# Altium PCB MB1166.PcbDoc (part 17 of 39) (continued)
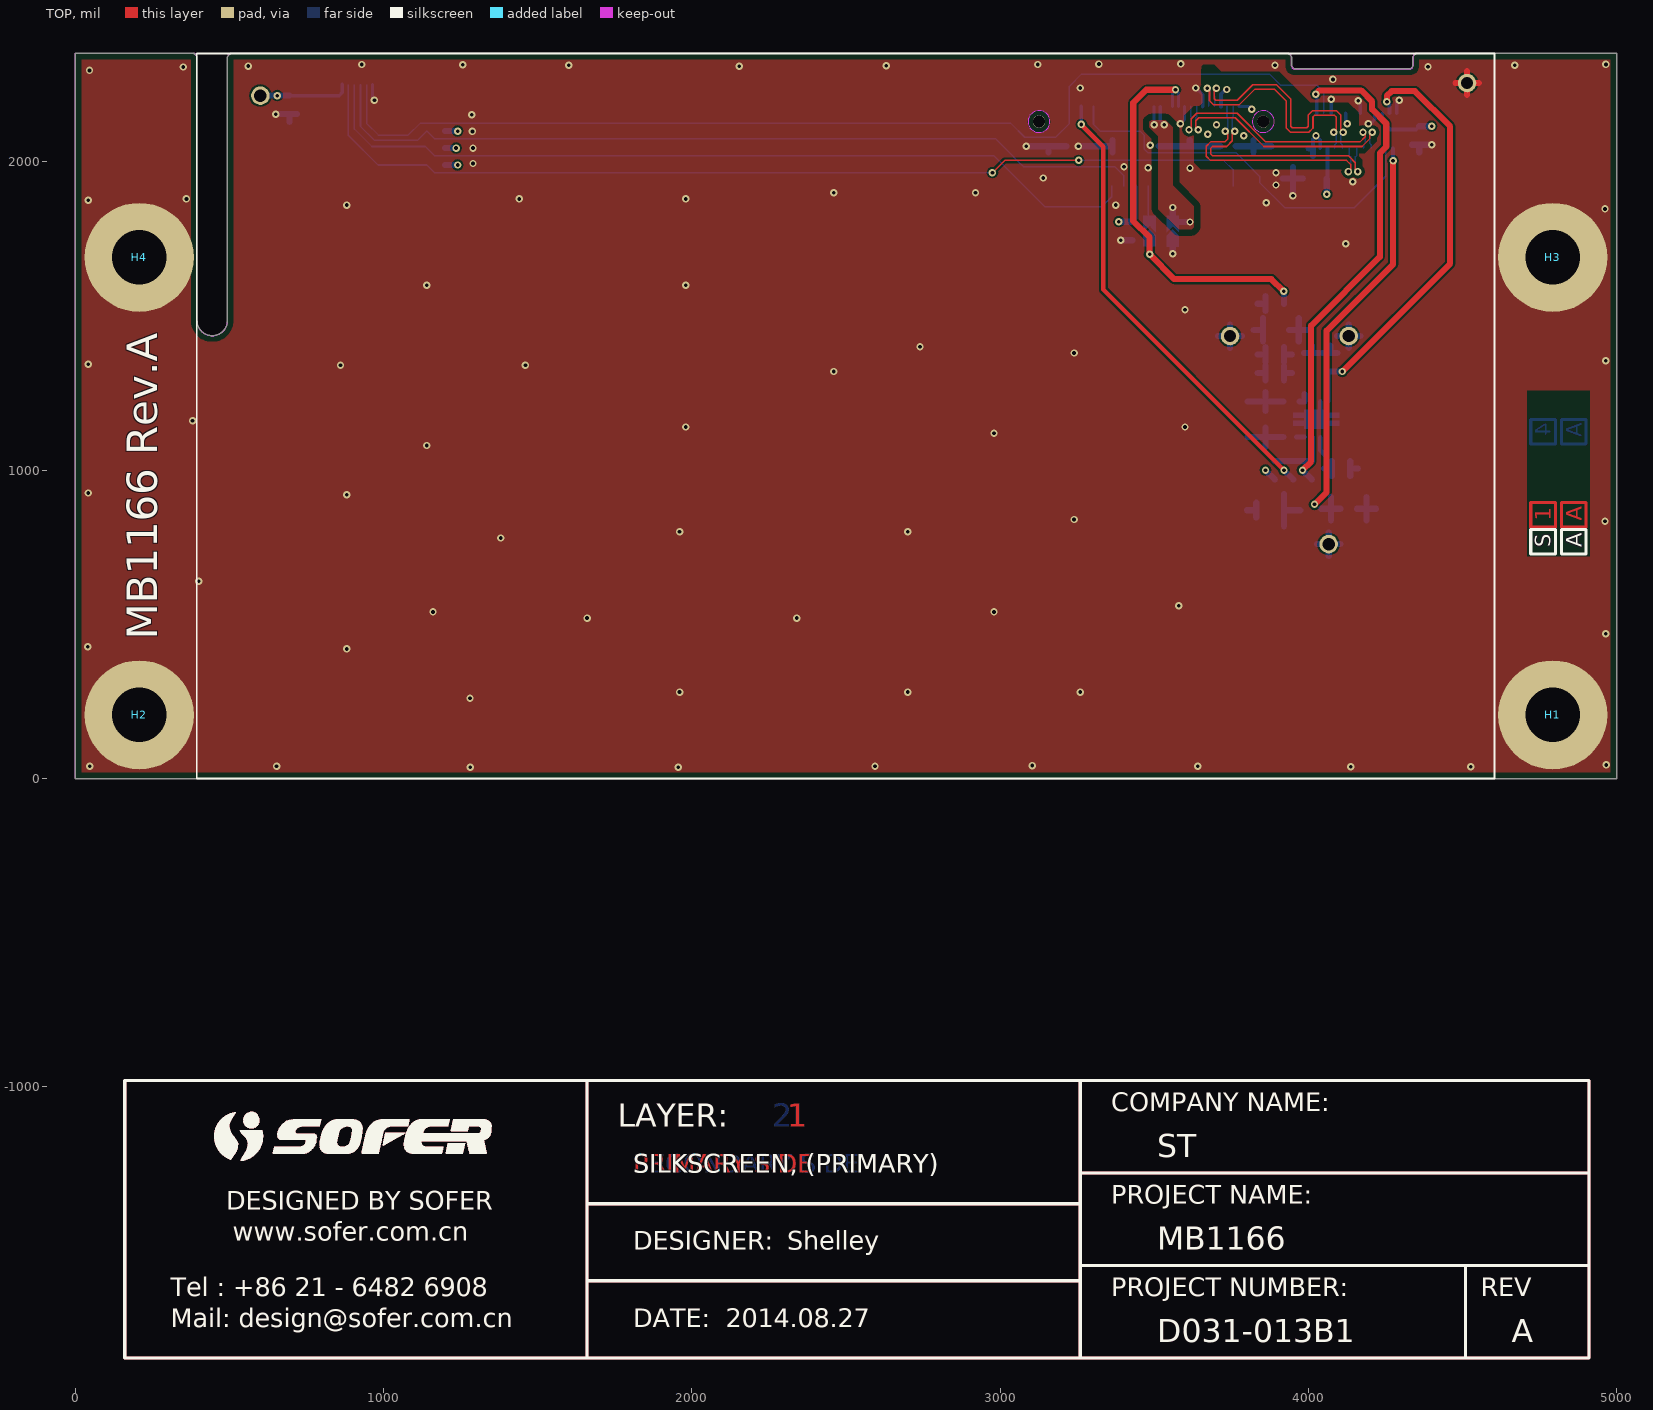
[diagram p0: TOP view]
## Nets (pads, with @x,y where several pads share a name; then routed paths per layer and width w, separated by ;. In a path a pad name is that pad's centre, name@x,y a point inside that pad or via, vN(x,y) a via of type N, cw(c..) or ccw(c..) an arc to the next point about the centre after c; other vN are vias at no path point) (continued)
; 504.86,-1152.33 504.91,-1152.42 ; 504.84,-1087.18 504.94,-1087.15 ; 504.84,-1087.18 504.94,-1087.15 ; 504.91,-1152.42 504.97,-1152.5 ; 504.91,-1152.42 504.97,-1152.5 ; 504.92,-1106.75 504.96,-1106.67 ; 504.92,-1106.75 504.96,-1106.67 ; 504.97,-1152.5 505.02,-1152.59 ; 504.97,-1152.5 505.02,-1152.59 ; 504.96,-1106.67 505.06,-1106.49 ; 504.96,-1106.67 505.06,-1106.49 ; 504.94,-1087.15 505.03,-1087.11 ; 504.94,-1087.15 505.03,-1087.11 ; 505.02,-1152.59 505.07,-1152.67 ; 505.02,-1152.59 505.07,-1152.67 ; 505.07,-1152.67 505.12,-1152.76 ; 505.07,-1152.67 505.12,-1152.76 ; 505.06,-1106.49 505.1,-1106.4 ; 505.06,-1106.49 505.1,-1106.4 ; 505.03,-1087.11 505.13,-1087.08 ; 505.03,-1087.11 505.13,-1087.08 ; 505.11,-1233.29 505.18,-1233.22 ; 505.11,-1233.29 505.18,-1233.22 ; 505.12,-1152.76 505.18,-1152.84 ; 505.12,-1152.76 505.18,-1152.84 ; 505.1,-1106.4 505.2,-1106.22 ; 505.1,-1106.4 505.2,-1106.22 ; 505.13,-1087.08 505.31,-1087.02 ; 505.13,-1087.08 505.31,-1087.02 ; 505.18,-1233.22 505.36,-1232.98 ; 505.18,-1233.22 505.36,-1232.98 ; 505.18,-1152.84 505.23,-1152.93 ; 505.18,-1152.84 505.23,-1152.93 ; 505.2,-1106.22 505.25,-1106.14 ; 505.2,-1106.22 505.25,-1106.14 ; 505.23,-1152.93 505.28,-1153.01 ; 505.23,-1152.93 505.28,-1153.01 ; 505.25,-1106.14 505.29,-1106.05 ; 505.25,-1106.14 505.29,-1106.05 ; 505.28,-1153.01 505.34,-1153.1 ; 505.28,-1153.01 505.34,-1153.1 ; 505.29,-1106.05 505.39,-1105.87 ; 505.29,-1106.05 505.39,-1105.87 ; 505.31,-1087.02 505.41,-1086.99 ; 505.31,-1087.02 505.41,-1086.99 ; 505.36,-1232.98 505.43,-1232.9 ; 505.36,-1232.98 505.43,-1232.9 ; 505.34,-1153.1 505.39,-1153.18 ; 505.34,-1153.1 505.39,-1153.18 ; 505.39,-1153.18 505.44,-1153.27 ; 505.39,-1153.18 505.44,-1153.27 ; 505.39,-1105.87 505.44,-1105.79 ; 505.39,-1105.87 505.44,-1105.79 ; 505.41,-1086.99 505.5,-1086.95 ; 505.41,-1086.99 505.5,-1086.95 ; 505.43,-1232.9 505.49,-1232.83 ; 505.43,-1232.9 505.49,-1232.83 ; 505.44,-1153.27 505.5,-1153.35 ; 505.44,-1153.27 505.5,-1153.35 ; 505.44,-1105.79 505.49,-1105.7 ; 505.44,-1105.79 505.49,-1105.7 ; 505.49,-1232.83 505.61,-1232.67 ; 505.49,-1232.83 505.61,-1232.67 ; 505.5,-1153.35 505.55,-1153.43 ; 505.5,-1153.35 505.55,-1153.43 ; 505.49,-1105.7 505.53,-1105.61 ; 505.49,-1105.7 505.53,-1105.61 ; 505.5,-1086.95 505.6,-1086.92 ; 505.5,-1086.95 505.6,-1086.92 ; 505.55,-1153.43 505.6,-1153.52 ; 505.55,-1153.43 505.6,-1153.52 ; 505.53,-1105.61 505.63,-1105.43 ; 505.53,-1105.61 505.63,-1105.43 ; 505.61,-1232.67 505.68,-1232.59 ; 505.61,-1232.67 505.68,-1232.59 ; 505.6,-1153.52 505.66,-1153.6 ; 505.6,-1153.52 505.66,-1153.6 ; 505.6,-1086.92 505.69,-1086.89 ; 505.6,-1086.92 505.69,-1086.89 ; 505.66,-1153.6 505.71,-1153.69 ; 505.66,-1153.6 505.71,-1153.69 ; 505.63,-1105.43 505.68,-1105.35 ; 505.63,-1105.43 505.68,-1105.35 ; 505.68,-1232.59 505.74,-1232.51 ; 505.68,-1232.59 505.74,-1232.51 ; 505.71,-1153.69 505.77,-1153.77 ; 505.71,-1153.69 505.77,-1153.77 ; 505.68,-1105.35 505.78,-1105.17 ; 505.68,-1105.35 505.78,-1105.17 ; 505.69,-1086.89 505.79,-1086.86 ; 505.69,-1086.89 505.79,-1086.86 ; 505.74,-1232.51 505.8,-1232.44 ; 505.74,-1232.51 505.8,-1232.44 ; 505.77,-1153.77 505.82,-1153.85 ; 505.77,-1153.77 505.82,-1153.85 ; 505.8,-1232.44 505.87,-1232.36 ; 505.8,-1232.44 505.87,-1232.36 ; 505.82,-1153.85 505.88,-1153.94 ; 505.82,-1153.85 505.88,-1153.94 ; 505.78,-1105.17 505.82,-1105.08 ; 505.78,-1105.17 505.82,-1105.08 ; 505.82,-1105.08 505.87,-1105 ; 505.82,-1105.08 505.87,-1105 ; 505.79,-1086.86 505.88,-1086.83 ; 505.79,-1086.86 505.88,-1086.83 ; 505.87,-1232.36 506.05,-1232.12 ; 505.87,-1232.36 506.05,-1232.12 ; 505.87,-1105 505.97,-1104.82 ; 505.87,-1105 505.97,-1104.82 ; 505.88,-1153.94 505.93,-1154.02 ; 505.88,-1153.94 505.93,-1154.02 ; 505.88,-1086.83 505.98,-1086.8 ; 505.88,-1086.83 505.98,-1086.8 ; 505.93,-1154.02 505.99,-1154.1 ; 505.93,-1154.02 505.99,-1154.1 ; 505.97,-1104.82 506.02,-1104.74 ; 505.97,-1104.82 506.02,-1104.74 ; 505.99,-1154.1 506.04,-1154.19 ; 505.99,-1154.1 506.04,-1154.19 ; 506.02,-1104.74 506.17,-1104.47 ; 506.02,-1104.74 506.17,-1104.47 ; 505.98,-1086.8 506.07,-1086.77 ; 505.98,-1086.8 506.07,-1086.77 ; 506.05,-1232.12 506.12,-1232.05 ; 506.05,-1232.12 506.12,-1232.05 ; 506.04,-1154.19 506.16,-1154.35 ; 506.04,-1154.19 506.16,-1154.35 ; 506.07,-1086.77 506.27,-1086.71 ; 506.07,-1086.77 506.27,-1086.71 ; 506.12,-1232.05 506.3,-1231.81 ; 506.12,-1232.05 506.3,-1231.81 ; 506.16,-1154.35 506.21,-1154.44 ; 506.16,-1154.35 506.21,-1154.44 ; 506.17,-1104.47 506.22,-1104.39 ; 506.17,-1104.47 506.22,-1104.39 ; 506.21,-1154.44 506.27,-1154.52 ; 506.21,-1154.44 506.27,-1154.52 ; 506.22,-1104.39 506.32,-1104.21 ; 506.22,-1104.39 506.32,-1104.21 ; 506.27,-1154.52 506.32,-1154.6 ; 506.27,-1154.52 506.32,-1154.6 ; 506.27,-1086.71 506.36,-1086.68 ; 506.27,-1086.71 506.36,-1086.68 ; 506.3,-1231.81 506.37,-1231.73 ; 506.3,-1231.81 506.37,-1231.73 ; 506.32,-1154.6 506.38,-1154.68 ; 506.32,-1154.6 506.38,-1154.68 ; 506.32,-1104.21 506.37,-1104.13 ; 506.32,-1104.21 506.37,-1104.13 ; 506.37,-1231.73 506.43,-1231.66 ; 506.37,-1231.73 506.43,-1231.66 ; 506.37,-1104.13 506.42,-1104.04 ; 506.37,-1104.13 506.42,-1104.04 ; 506.36,-1086.68 506.46,-1086.65 ; 506.36,-1086.68 506.46,-1086.65 ; 506.38,-1154.68 506.44,-1154.77 ; 506.38,-1154.68 506.44,-1154.77 ; 506.42,-1104.04 506.46,-1103.95 ; 506.42,-1104.04 506.46,-1103.95 ; 506.43,-1231.66 506.61,-1231.42 ; 506.43,-1231.66 506.61,-1231.42 ; 506.44,-1154.77 506.49,-1154.85 ; 506.44,-1154.77 506.49,-1154.85 ; 506.46,-1103.95 506.51,-1103.87 ; 506.46,-1103.95 506.51,-1103.87 ; 506.46,-1086.65 506.55,-1086.62 ; 506.46,-1086.65 506.55,-1086.62 ; 506.49,-1154.85 506.61,-1155.01 ; 506.49,-1154.85 506.61,-1155.01 ; 506.51,-1103.87 506.61,-1103.69 ; 506.51,-1103.87 506.61,-1103.69 ; 506.55,-1086.62 506.65,-1086.59 ; 506.55,-1086.62 506.65,-1086.59 ; 506.61,-1231.42 506.68,-1231.34 ; 506.61,-1231.42 506.68,-1231.34 ; 506.61,-1155.01 506.66,-1155.09 ; 506.61,-1155.01 506.66,-1155.09 ; 506.61,-1103.69 506.66,-1103.61 ; 506.61,-1103.69 506.66,-1103.61 ; 506.66,-1155.09 506.72,-1155.18 ; 506.66,-1155.09 506.72,-1155.18 ; 506.66,-1103.61 506.71,-1103.52 ; 506.66,-1103.61 506.71,-1103.52 ; 506.65,-1086.59 506.74,-1086.56 ; 506.65,-1086.59 506.74,-1086.56 ; 506.68,-1231.34 506.8,-1231.18 ; 506.68,-1231.34 506.8,-1231.18 ; 506.72,-1155.18 506.84,-1155.34 ; 506.72,-1155.18 506.84,-1155.34 ; 506.71,-1103.52 506.77,-1103.43 ; 506.71,-1103.52 506.77,-1103.43 ; 506.77,-1103.43 506.82,-1103.35 ; 506.77,-1103.43 506.82,-1103.35 ; 506.74,-1086.56 506.84,-1086.53 ; 506.74,-1086.56 506.84,-1086.53 ; 506.8,-1231.18 506.86,-1231.11 ; 506.8,-1231.18 506.86,-1231.11 ; 506.82,-1103.35 506.92,-1103.17 ; 506.82,-1103.35 506.92,-1103.17 ; 506.86,-1231.11 507.4,-1230.39 ; 506.86,-1231.11 507.4,-1230.39 ; 506.84,-1155.34 506.89,-1155.42 ; 506.84,-1155.34 506.89,-1155.42 ; 506.84,-1086.53 506.93,-1086.5 ; 506.84,-1086.53 506.93,-1086.5 ; 506.89,-1155.42 507.01,-1155.58 ; 506.89,-1155.42 507.01,-1155.58 ; 506.92,-1103.17 506.97,-1103.09 ; 506.92,-1103.17 506.97,-1103.09 ; 506.97,-1103.09 507.02,-1103 ; 506.97,-1103.09 507.02,-1103 ; 506.93,-1086.5 507.03,-1086.47 ; 506.93,-1086.5 507.03,-1086.47 ; 507.01,-1155.58 507.07,-1155.67 ; 507.01,-1155.58 507.07,-1155.67 ; 507.02,-1103 507.07,-1102.92 ; 507.02,-1103 507.07,-1102.92 ; 507.07,-1155.67 507.19,-1155.83 ; 507.07,-1155.67 507.19,-1155.83 ; 507.07,-1102.92 507.17,-1102.74 ; 507.07,-1102.92 507.17,-1102.74 ; 507.03,-1086.47 507.12,-1086.44 ; 507.03,-1086.47 507.12,-1086.44 ; 507.12,-1086.44 507.32,-1086.38 ; 507.12,-1086.44 507.32,-1086.38 ; 507.17,-1102.74 507.22,-1102.66 ; 507.17,-1102.74 507.22,-1102.66 ; 507.19,-1155.83 507.24,-1155.91 ; 507.19,-1155.83 507.24,-1155.91 ; 507.22,-1102.66 507.27,-1102.57 ; 507.22,-1102.66 507.27,-1102.57 ; 507.24,-1155.91 507.6,-1156.39 ; 507.24,-1155.91 507.6,-1156.39 ; 507.27,-1102.57 507.32,-1102.49 ; 507.27,-1102.57 507.32,-1102.49 ; 507.32,-1102.49 507.42,-1102.31 ; 507.32,-1102.49 507.42,-1102.31 ; 507.32,-1086.38 507.41,-1086.35 ; 507.32,-1086.38 507.41,-1086.35 ; 507.4,-1230.39 507.46,-1230.3 ; 507.4,-1230.39 507.46,-1230.3 ; 507.42,-1102.31 507.48,-1102.23 ; 507.42,-1102.31 507.48,-1102.23 ; 507.41,-1086.35 507.51,-1086.32 ; 507.41,-1086.35 507.51,-1086.32 ; 507.46,-1230.3 507.64,-1230.06 ; 507.46,-1230.3 507.64,-1230.06 ; 507.48,-1102.23 507.53,-1102.14 ; 507.48,-1102.23 507.53,-1102.14 ; 507.51,-1086.32 507.6,-1086.29 ; 507.51,-1086.32 507.6,-1086.29 ; 507.53,-1102.14 507.58,-1102.06 ; 507.53,-1102.14 507.58,-1102.06 ; 507.6,-1156.39 507.66,-1156.48 ; 507.6,-1156.39 507.66,-1156.48 ; 507.58,-1102.06 507.68,-1101.88 ; 507.58,-1102.06 507.68,-1101.88 ; 507.6,-1086.29 507.7,-1086.26 ; 507.6,-1086.29 507.7,-1086.26 ; 507.64,-1230.06 507.69,-1229.98 ; 507.64,-1230.06 507.69,-1229.98 ; 507.66,-1156.48 507.78,-1156.64 ; 507.66,-1156.48 507.78,-1156.64 ; 507.69,-1229.98 507.93,-1229.66 ; 507.69,-1229.98 507.93,-1229.66 ; 507.68,-1101.88 507.73,-1101.8 ; 507.68,-1101.88 507.73,-1101.8 ; 507.7,-1086.26 507.79,-1086.23 ; 507.7,-1086.26 507.79,-1086.23 ; 507.73,-1101.8 507.78,-1101.71 ; 507.73,-1101.8 507.78,-1101.71 ; 507.78,-1156.64 507.83,-1156.72 ; 507.78,-1156.64 507.83,-1156.72 ; 507.78,-1101.71 507.84,-1101.63 ; 507.78,-1101.71 507.84,-1101.63 ; 507.79,-1086.23 507.89,-1086.21 ; 507.79,-1086.23 507.89,-1086.21 ; 507.83,-1156.72 508.13,-1157.12 ; 507.83,-1156.72 508.13,-1157.12 ; 507.84,-1101.63 507.89,-1101.54 ; 507.84,-1101.63 507.89,-1101.54 ; 507.89,-1101.54 507.94,-1101.46 ; 507.89,-1101.54 507.94,-1101.46 ; 507.89,-1086.21 507.99,-1086.18 ; 507.89,-1086.21 507.99,-1086.18 ; 507.93,-1229.66 507.98,-1229.57 ; 507.93,-1229.66 507.98,-1229.57 ; 507.94,-1101.46 508.04,-1101.28 ; 507.94,-1101.46 508.04,-1101.28 ; 507.98,-1229.57 508.16,-1229.33 ; 507.98,-1229.57 508.16,-1229.33 ; 507.99,-1086.18 508.08,-1086.15 ; 507.99,-1086.18 508.08,-1086.15 ; 508.04,-1101.28 508.09,-1101.2 ; 508.04,-1101.28 508.09,-1101.2 ; 508.09,-1101.2 508.15,-1101.11 ; 508.09,-1101.2 508.15,-1101.11 ; 508.08,-1086.15 508.18,-1086.12 ; 508.08,-1086.15 508.18,-1086.12 ; 508.16,-1229.33 508.21,-1229.25 ; 508.16,-1229.33 508.21,-1229.25 ; 508.13,-1157.12 508.2,-1157.2 ; 508.13,-1157.12 508.2,-1157.2 ; 508.15,-1101.11 508.2,-1101.03 ; 508.15,-1101.11 508.2,-1101.03 ; 508.21,-1229.25 508.27,-1229.16 ; 508.21,-1229.25 508.27,-1229.16 ; 508.2,-1157.2 508.38,-1157.44 ; 508.2,-1157.2 508.38,-1157.44 ; 508.2,-1101.03 508.25,-1100.94 ; 508.2,-1101.03 508.25,-1100.94 ; 508.18,-1086.12 508.27,-1086.09 ; 508.18,-1086.12 508.27,-1086.09 ; 508.27,-1229.16 508.39,-1229 ; 508.27,-1229.16 508.39,-1229 ; 508.25,-1100.94 508.3,-1100.86 ; 508.25,-1100.94 508.3,-1100.86 ; 508.27,-1086.09 508.37,-1086.07 ; 508.27,-1086.09 508.37,-1086.07 ; 508.3,-1100.86 508.35,-1100.77 ; 508.3,-1100.86 508.35,-1100.77 ; 508.35,-1100.77 508.41,-1100.69 ; 508.35,-1100.77 508.41,-1100.69 ; 508.37,-1086.07 508.47,-1086.04 ; 508.37,-1086.07 508.47,-1086.04 ; 508.39,-1229 508.44,-1228.92 ; 508.39,-1229 508.44,-1228.92 ; 508.38,-1157.44 508.44,-1157.51 ; 508.38,-1157.44 508.44,-1157.51 ; 508.41,-1100.69 508.46,-1100.6 ; 508.41,-1100.69 508.46,-1100.6 ; 508.44,-1228.92 508.5,-1228.84 ; 508.44,-1228.92 508.5,-1228.84 ; 508.44,-1157.51 508.86,-1158.07 ; 508.44,-1157.51 508.86,-1158.07 ; 508.46,-1100.6 508.51,-1100.52 ; 508.46,-1100.6 508.51,-1100.52 ; 508.47,-1086.04 508.56,-1086.01 ; 508.47,-1086.04 508.56,-1086.01 ; 508.5,-1228.84 508.56,-1228.75 ; 508.5,-1228.84 508.56,-1228.75 ; 508.51,-1100.52 508.56,-1100.43 ; 508.51,-1100.52 508.56,-1100.43 ; 508.56,-1228.75 508.61,-1228.67 ; 508.56,-1228.75 508.61,-1228.67 ; 508.56,-1100.43 508.61,-1100.35 ; 508.56,-1100.43 508.61,-1100.35 ; 508.56,-1086.01 508.66,-1085.98 ; 508.56,-1086.01 508.66,-1085.98 ; 508.61,-1228.67 508.73,-1228.51 ; 508.61,-1228.67 508.73,-1228.51 ; 508.61,-1100.35 508.67,-1100.26 ; 508.61,-1100.35 508.67,-1100.26 ; 508.67,-1100.26 508.72,-1100.18 ; 508.67,-1100.26 508.72,-1100.18 ; 508.66,-1085.98 508.75,-1085.95 ; 508.66,-1085.98 508.75,-1085.95 ; 508.72,-1100.18 508.82,-1100 ; 508.72,-1100.18 508.82,-1100 ; 508.73,-1228.51 508.78,-1228.42 ; 508.73,-1228.51 508.78,-1228.42 ; 508.75,-1085.95 508.85,-1085.93 ; 508.75,-1085.95 508.85,-1085.93 ; 508.78,-1228.42 508.9,-1228.26 ; 508.78,-1228.42 508.9,-1228.26 ; 508.82,-1100 508.88,-1099.92 ; 508.82,-1100 508.88,-1099.92 ; 508.86,-1158.07 508.93,-1158.15 ; 508.86,-1158.07 508.93,-1158.15 ; 508.85,-1085.93 508.95,-1085.9 ; 508.85,-1085.93 508.95,-1085.9 ; 508.9,-1228.26 508.95,-1228.18 ; 508.9,-1228.26 508.95,-1228.18 ; 508.88,-1099.92 508.93,-1099.83 ; 508.88,-1099.92 508.93,-1099.83 ; 508.95,-1228.18 509.01,-1228.09 ; 508.95,-1228.18 509.01,-1228.09 ; 508.93,-1158.15 509.11,-1158.39 ; 508.93,-1158.15 509.11,-1158.39 ; 508.93,-1099.83 508.98,-1099.75 ; 508.93,-1099.83 508.98,-1099.75 ; 508.95,-1085.9 509.04,-1085.87 ; 508.95,-1085.9 509.04,-1085.87 ; 509.01,-1228.09 509.06,-1228.01 ; 509.01,-1228.09 509.06,-1228.01 ; 508.98,-1099.75 509.03,-1099.66 ; 508.98,-1099.75 509.03,-1099.66 ; 509.06,-1228.01 509.12,-1227.93 ; 509.06,-1228.01 509.12,-1227.93 ; 509.03,-1099.66 509.09,-1099.58 ; 509.03,-1099.66 509.09,-1099.58 ; 509.04,-1085.87 509.14,-1085.85 ; 509.04,-1085.87 509.14,-1085.85 ; 509.12,-1227.93 509.18,-1227.84 ; 509.12,-1227.93 509.18,-1227.84 ; 509.11,-1158.39 509.17,-1158.46 ; 509.11,-1158.39 509.17,-1158.46 ; 509.09,-1099.58 509.14,-1099.49 ; 509.09,-1099.58 509.14,-1099.49 ; 509.17,-1158.46 509.29,-1158.62 ; 509.17,-1158.46 509.29,-1158.62 ; 509.14,-1099.49 509.19,-1099.41 ; 509.14,-1099.49 509.19,-1099.41 ; 509.14,-1085.85 509.24,-1085.82 ; 509.14,-1085.85 509.24,-1085.82 ; 509.18,-1227.84 509.23,-1227.76 ; 509.18,-1227.84 509.23,-1227.76 ; 509.19,-1099.41 509.25,-1099.32 ; 509.19,-1099.41 509.25,-1099.32 ; 509.23,-1227.76 509.29,-1227.68 ; 509.23,-1227.76 509.29,-1227.68 ; 509.25,-1099.32 509.3,-1099.24 ; 509.25,-1099.32 509.3,-1099.24 ; 509.24,-1085.82 509.33,-1085.79 ; 509.24,-1085.82 509.33,-1085.79 ; 509.29,-1227.68 509.34,-1227.6 ; 509.29,-1227.68 509.34,-1227.6 ; 509.29,-1158.62 509.36,-1158.7 ; 509.29,-1158.62 509.36,-1158.7 ; 509.3,-1099.24 509.35,-1099.15 ; 509.3,-1099.24 509.35,-1099.15 ; 509.34,-1227.6 509.4,-1227.51 ; 509.34,-1227.6 509.4,-1227.51 ; 509.36,-1158.7 509.54,-1158.94 ; 509.36,-1158.7 509.54,-1158.94 ; 509.35,-1099.15 509.4,-1099.07 ; 509.35,-1099.15 509.4,-1099.07 ; 509.33,-1085.79 509.43,-1085.77 ; 509.33,-1085.79 509.43,-1085.77 ; 509.4,-1227.51 509.46,-1227.43 ; 509.4,-1227.51 509.46,-1227.43 ; 509.4,-1099.07 509.46,-1098.99 ; 509.4,-1099.07 509.46,-1098.99 ; 509.46,-1227.43 509.51,-1227.35 ; 509.46,-1227.43 509.51,-1227.35 ; 509.46,-1098.99 509.51,-1098.9 ; 509.46,-1098.99 509.51,-1098.9 ; 509.43,-1085.77 509.52,-1085.74 ; 509.43,-1085.77 509.52,-1085.74 ; 509.51,-1227.35 509.57,-1227.26 ; 509.51,-1227.35 509.57,-1227.26 ; 509.51,-1098.9 509.56,-1098.82 ; 509.51,-1098.9 509.56,-1098.82 ; 509.52,-1085.74 509.62,-1085.71 ; 509.52,-1085.74 509.62,-1085.71 ; 509.57,-1227.26 509.62,-1227.18 ; 509.57,-1227.26 509.62,-1227.18 ; 509.54,-1158.94 509.6,-1159.01 ; 509.54,-1158.94 509.6,-1159.01 ; 509.56,-1098.82 509.62,-1098.73 ; 509.56,-1098.82 509.62,-1098.73 ; 509.62,-1227.18 509.74,-1227.02 ; 509.62,-1227.18 509.74,-1227.02 ; 509.6,-1159.01 509.67,-1159.09 ; 509.6,-1159.01 509.67,-1159.09 ; 509.62,-1098.73 509.67,-1098.65 ; 509.62,-1098.73 509.67,-1098.65 ; 509.62,-1085.71 509.72,-1085.69 ; 509.62,-1085.71 509.72,-1085.69 ; 509.67,-1159.09 509.85,-1159.33 ; 509.67,-1159.09 509.85,-1159.33 ; 509.67,-1098.65 509.72,-1098.56 ; 509.67,-1098.65 509.72,-1098.56 ; 509.72,-1098.56 509.77,-1098.48 ; 509.72,-1098.56 509.77,-1098.48 ; 509.72,-1085.69 509.81,-1085.66 ; 509.72,-1085.69 509.81,-1085.66 ; 509.74,-1227.02 509.79,-1226.93 ; 509.74,-1227.02 509.79,-1226.93 ; 509.77,-1098.48 509.83,-1098.39 ; 509.77,-1098.48 509.83,-1098.39 ; 509.79,-1226.93 509.85,-1226.85 ; 509.79,-1226.93 509.85,-1226.85 ; 509.81,-1085.66 509.91,-1085.64 ; 509.81,-1085.66 509.91,-1085.64 ; 509.85,-1226.85 509.9,-1226.77 ; 509.85,-1226.85 509.9,-1226.77 ; 509.85,-1159.33 509.92,-1159.41 ; 509.85,-1159.33 509.92,-1159.41 ; 509.83,-1098.39 509.88,-1098.31 ; 509.83,-1098.39 509.88,-1098.31 ; 509.9,-1226.77 509.96,-1226.68 ; 509.9,-1226.77 509.96,-1226.68 ; 509.92,-1159.41 509.98,-1159.48 ; 509.92,-1159.41 509.98,-1159.48 ; 509.88,-1098.31 509.93,-1098.22 ; 509.88,-1098.31 509.93,-1098.22 ; 509.91,-1085.64 510.01,-1085.61 ; 509.91,-1085.64 510.01,-1085.61 ; 509.96,-1226.68 510.02,-1226.6 ; 509.96,-1226.68 510.02,-1226.6 ; 509.93,-1098.22 509.99,-1098.14 ; 509.93,-1098.22 509.99,-1098.14 ; 510.02,-1226.6 510.07,-1226.52 ; 510.02,-1226.6 510.07,-1226.52 ; 509.98,-1159.48 510.1,-1159.64 ; 509.98,-1159.48 510.1,-1159.64 ; 509.99,-1098.14 510.04,-1098.05 ; 509.99,-1098.14 510.04,-1098.05 ; 510.01,-1085.61 510.1,-1085.58 ; 510.01,-1085.61 510.1,-1085.58 ; 510.07,-1226.52 510.13,-1226.44 ; 510.07,-1226.52 510.13,-1226.44 ; 510.04,-1098.05 510.09,-1097.97 ; 510.04,-1098.05 510.09,-1097.97 ; 510.1,-1159.64 510.17,-1159.72 ; 510.1,-1159.64 510.17,-1159.72 ; 510.09,-1097.97 510.15,-1097.88 ; 510.09,-1097.97 510.15,-1097.88 ; 510.1,-1085.58 510.2,-1085.56 ; 510.1,-1085.58 510.2,-1085.56 ; 510.13,-1226.44 510.18,-1226.35 ; 510.13,-1226.44 510.18,-1226.35 ; 510.17,-1159.72 510.23,-1159.8 ; 510.17,-1159.72 510.23,-1159.8 ; 510.15,-1097.88 510.2,-1097.8 ; 510.15,-1097.88 510.2,-1097.8 ; 510.18,-1226.35 510.3,-1226.19 ; 510.18,-1226.35 510.3,-1226.19 ; 510.2,-1097.8 510.25,-1097.71 ; 510.2,-1097.8 510.25,-1097.71 ; 510.2,-1085.56 510.3,-1085.53 ; 510.2,-1085.56 510.3,-1085.53 ; 510.23,-1159.8 510.29,-1159.87 ; 510.23,-1159.8 510.29,-1159.87 ; 510.25,-1097.71 510.31,-1097.63 ; 510.25,-1097.71 510.31,-1097.63 ; 510.3,-1226.19 510.35,-1226.1 ; 510.3,-1226.19 510.35,-1226.1 ; 510.29,-1159.87 510.35,-1159.95 ; 510.29,-1159.87 510.35,-1159.95 ; 510.31,-1097.63 510.36,-1097.54 ; 510.31,-1097.63 510.36,-1097.54 ; 510.3,-1085.53 510.39,-1085.51 ; 510.3,-1085.53 510.39,-1085.51 ; 510.35,-1226.1 510.41,-1226.02 ; 510.35,-1226.1 510.41,-1226.02 ; 510.35,-1159.95 510.42,-1160.03 ; 510.35,-1159.95 510.42,-1160.03 ; 510.36,-1097.54 510.41,-1097.46 ; 510.36,-1097.54 510.41,-1097.46 ; 510.41,-1226.02 510.46,-1225.94 ; 510.41,-1226.02 510.46,-1225.94 ; 510.42,-1160.03 510.54,-1160.19 ; 510.42,-1160.03 510.54,-1160.19 ; 510.41,-1097.46 510.47,-1097.38 ; 510.41,-1097.46 510.47,-1097.38 ; 510.39,-1085.51 510.49,-1085.48 ; 510.39,-1085.51 510.49,-1085.48 ; 510.46,-1225.94 510.52,-1225.86 ; 510.46,-1225.94 510.52,-1225.86 ; 510.47,-1097.38 510.52,-1097.29 ; 510.47,-1097.38 510.52,-1097.29 ; 510.52,-1225.86 510.58,-1225.77 ; 510.52,-1225.86 510.58,-1225.77 ; 510.52,-1097.29 510.57,-1097.21 ; 510.52,-1097.29 510.57,-1097.21 ; 510.49,-1085.48 510.59,-1085.46 ; 510.49,-1085.48 510.59,-1085.46 ; 510.54,-1160.19 510.6,-1160.26 ; 510.54,-1160.19 510.6,-1160.26 ; 510.57,-1097.21 510.63,-1097.12 ; 510.57,-1097.21 510.63,-1097.12 ; 510.58,-1225.77 510.63,-1225.69 ; 510.58,-1225.77 510.63,-1225.69 ; 510.6,-1160.26 510.67,-1160.34 ; 510.6,-1160.26 510.67,-1160.34 ; 510.59,-1085.46 510.68,-1085.43 ; 510.59,-1085.46 510.68,-1085.43 ; 510.63,-1225.69 510.75,-1225.53 ; 510.63,-1225.69 510.75,-1225.53 ; 510.67,-1160.34 510.79,-1160.5 ; 510.67,-1160.34 510.79,-1160.5 ; 510.63,-1097.12 510.68,-1097.04 ; 510.63,-1097.12 510.68,-1097.04 ; 510.68,-1097.04 510.73,-1096.95 ; 510.68,-1097.04 510.73,-1096.95 ; 510.68,-1085.43 510.78,-1085.41 ; 510.68,-1085.43 510.78,-1085.41 ; 510.75,-1225.53 510.8,-1225.44 ; 510.75,-1225.53 510.8,-1225.44 ; 510.73,-1096.95 510.79,-1096.87 ; 510.73,-1096.95 510.79,-1096.87 ; 510.8,-1225.44 510.86,-1225.36 ; 510.8,-1225.44 510.86,-1225.36 ; 510.79,-1160.5 510.86,-1160.57 ; 510.79,-1160.5 510.86,-1160.57 ; 510.79,-1096.87 510.84,-1096.78 ; 510.79,-1096.87 510.84,-1096.78 ; 510.78,-1085.41 510.88,-1085.38 ; 510.78,-1085.41 510.88,-1085.38 ; 510.86,-1225.36 510.91,-1225.28 ; 510.86,-1225.36 510.91,-1225.28 ; 510.86,-1160.57 511.04,-1160.81 ; 510.86,-1160.57 511.04,-1160.81 ; 510.84,-1096.78 510.89,-1096.7 ; 510.84,-1096.78 510.89,-1096.7 ; 510.91,-1225.28 510.97,-1225.2 ; 510.91,-1225.28 510.97,-1225.2 ; 510.89,-1096.7 510.95,-1096.61 ; 510.89,-1096.7 510.95,-1096.61 ; 510.88,-1085.38 510.98,-1085.36 ; 510.88,-1085.38 510.98,-1085.36 ; 510.97,-1225.2 511.03,-1225.11 ; 510.97,-1225.2 511.03,-1225.11 ; 510.95,-1096.61 511.05,-1096.45 ; 510.95,-1096.61 511.05,-1096.45 ; 510.98,-1085.36 511.07,-1085.33 ; 510.98,-1085.36 511.07,-1085.33 ; 511.03,-1225.11 511.08,-1225.03 ; 511.03,-1225.11 511.08,-1225.03 ; 511.04,-1160.81 511.11,-1160.88 ; 511.04,-1160.81 511.11,-1160.88 ; 511.05,-1096.45 511.11,-1096.36 ; 511.05,-1096.45 511.11,-1096.36 ; 511.07,-1085.33 511.27,-1085.29 ; 511.07,-1085.33 511.27,-1085.29 ; 511.08,-1225.03 511.2,-1224.87 ; 511.08,-1225.03 511.2,-1224.87 ; 511.11,-1160.88 511.23,-1161.04 ; 511.11,-1160.88 511.23,-1161.04 ; 511.11,-1096.36 511.16,-1096.28 ; 511.11,-1096.36 511.16,-1096.28 ; 511.16,-1096.28 511.21,-1096.19 ; 511.16,-1096.28 511.21,-1096.19 ; 511.2,-1224.87 511.25,-1224.78 ; 511.2,-1224.87 511.25,-1224.78 ; 511.21,-1096.19 511.27,-1096.11 ; 511.21,-1096.19 511.27,-1096.11 ; 511.25,-1224.78 511.43,-1224.54 ; 511.25,-1224.78 511.43,-1224.54 ; 511.23,-1161.04 511.3,-1161.12 ; 511.23,-1161.04 511.3,-1161.12 ; 511.27,-1096.11 511.32,-1096.02 ; 511.27,-1096.11 511.32,-1096.02 ; 511.27,-1085.29 511.36,-1085.26 ; 511.27,-1085.29 511.36,-1085.26 ; 511.3,-1161.12 511.36,-1161.2 ; 511.3,-1161.12 511.36,-1161.2 ; 511.32,-1096.02 511.37,-1095.94 ; 511.32,-1096.02 511.37,-1095.94 ; 511.36,-1161.2 511.42,-1161.27 ; 511.36,-1161.2 511.42,-1161.27 ; 511.37,-1095.94 511.43,-1095.85 ; 511.37,-1095.94 511.43,-1095.85 ; 511.36,-1085.26 511.46,-1085.24 ; 511.36,-1085.26 511.46,-1085.24 ; 511.42,-1161.27 511.49,-1161.35 ; 511.42,-1161.27 511.49,-1161.35 ; 511.43,-1224.54 511.48,-1224.45 ; 511.43,-1224.54 511.48,-1224.45 ; 511.43,-1095.85 511.48,-1095.77 ; 511.43,-1095.85 511.48,-1095.77 ; 511.46,-1085.24 511.56,-1085.21 ; 511.46,-1085.24 511.56,-1085.21 ; 511.48,-1224.45 511.6,-1224.29 ; 511.48,-1224.45 511.6,-1224.29 ; 511.49,-1161.35 511.61,-1161.51 ; 511.49,-1161.35 511.61,-1161.51 ; 511.48,-1095.77 511.53,-1095.68 ; 511.48,-1095.77 511.53,-1095.68 ; 511.53,-1095.68 511.59,-1095.6 ; 511.53,-1095.68 511.59,-1095.6 ; 511.56,-1085.21 511.65,-1085.19 ; 511.56,-1085.21 511.65,-1085.19 ; 511.6,-1224.29 511.65,-1224.21 ; 511.6,-1224.29 511.65,-1224.21 ; 511.61,-1161.51 511.68,-1161.58 ; 511.61,-1161.51 511.68,-1161.58 ; 511.59,-1095.6 511.64,-1095.52 ; 511.59,-1095.6 511.64,-1095.52 ; 511.65,-1224.21 511.71,-1224.13 ; 511.65,-1224.21 511.71,-1224.13 ; 511.64,-1095.52 511.7,-1095.43 ; 511.64,-1095.52 511.7,-1095.43 ; 511.65,-1085.19 511.75,-1085.17 ; 511.65,-1085.19 511.75,-1085.17 ; 511.71,-1224.13 511.77,-1224.04 ; 511.71,-1224.13 511.77,-1224.04 ; 511.68,-1161.58 511.86,-1161.82 ; 511.68,-1161.58 511.86,-1161.82 ; 511.7,-1095.43 511.75,-1095.35 ; 511.7,-1095.43 511.75,-1095.35 ; 511.77,-1224.04 511.83,-1223.96 ; 511.77,-1224.04 511.83,-1223.96 ; 511.75,-1095.35 511.8,-1095.26 ; 511.75,-1095.35 511.8,-1095.26 ; 511.75,-1085.17 511.85,-1085.14 ; 511.75,-1085.17 511.85,-1085.14 ; 511.8,-1095.26 511.86,-1095.18 ; 511.8,-1095.26 511.86,-1095.18 ; 511.83,-1223.96 511.88,-1223.88 ; 511.83,-1223.96 511.88,-1223.88 ; 511.86,-1161.82 511.93,-1161.89 ; 511.86,-1161.82 511.93,-1161.89 ; 511.86,-1095.18 511.91,-1095.09 ; 511.86,-1095.18 511.91,-1095.09 ; 511.85,-1085.14 511.95,-1085.12 ; 511.85,-1085.14 511.95,-1085.12 ; 511.88,-1223.88 512,-1223.72 ; 511.88,-1223.88 512,-1223.72 ; 511.91,-1095.09 511.96,-1095.01 ; 511.91,-1095.09 511.96,-1095.01 ; 511.93,-1161.89 512.05,-1162.05 ; 511.93,-1161.89 512.05,-1162.05 ; 511.96,-1095.01 512.02,-1094.92 ; 511.96,-1095.01 512.02,-1094.92 ; 511.95,-1085.12 512.04,-1085.1 ; 511.95,-1085.12 512.04,-1085.1 ; 512,-1223.72 512.05,-1223.63 ; 512,-1223.72 512.05,-1223.63 ; 512.02,-1094.92 512.12,-1094.76 ; 512.02,-1094.92 512.12,-1094.76 ; 512.05,-1223.63 512.29,-1223.31 ; 512.05,-1223.63 512.29,-1223.31 ; 512.05,-1162.05 512.12,-1162.13 ; 512.05,-1162.05 512.12,-1162.13 ; 512.04,-1085.1 512.14,-1085.07 ; 512.04,-1085.1 512.14,-1085.07 ; 512.12,-1162.13 512.18,-1162.2 ; 512.12,-1162.13 512.18,-1162.2 ; 512.12,-1094.76 512.18,-1094.67 ; 512.12,-1094.76 512.18,-1094.67 ; 512.14,-1085.07 512.34,-1085.03 ; 512.14,-1085.07 512.34,-1085.03 ; 512.18,-1162.2 512.24,-1162.28 ; 512.18,-1162.2 512.24,-1162.28 ; 512.18,-1094.67 512.23,-1094.59 ; 512.18,-1094.67 512.23,-1094.59 ; 512.24,-1162.28 512.31,-1162.36 ; 512.24,-1162.28 512.31,-1162.36 ; 512.23,-1094.59 512.29,-1094.5 ; 512.23,-1094.59 512.29,-1094.5 ; 512.29,-1223.31 512.34,-1223.23 ; 512.29,-1223.31 512.34,-1223.23 ; 512.31,-1162.36 512.37,-1162.44 ; 512.31,-1162.36 512.37,-1162.44 ; 512.29,-1094.5 512.34,-1094.42 ; 512.29,-1094.5 512.34,-1094.42 ; 512.34,-1223.23 512.4,-1223.14 ; 512.34,-1223.23 512.4,-1223.14 ; 512.37,-1162.44 512.43,-1162.51 ; 512.37,-1162.44 512.43,-1162.51 ; 512.34,-1094.42 512.39,-1094.33 ; 512.34,-1094.42 512.39,-1094.33 ; 512.34,-1085.03 512.43,-1085 ; 512.34,-1085.03 512.43,-1085 ; 512.4,-1223.14 512.52,-1222.98 ; 512.4,-1223.14 512.52,-1222.98 ; 512.39,-1094.33 512.45,-1094.25 ; 512.39,-1094.33 512.45,-1094.25 ; 512.43,-1162.51 512.5,-1162.59 ; 512.43,-1162.51 512.5,-1162.59 ; 512.45,-1094.25 512.5,-1094.17 ; 512.45,-1094.25 512.5,-1094.17 ; 512.43,-1085 512.73,-1084.94 ; 512.43,-1085 512.73,-1084.94 ; 512.52,-1222.98 512.57,-1222.9 ; 512.52,-1222.98 512.57,-1222.9 ; 512.5,-1162.59 512.62,-1162.75 ; 512.5,-1162.59 512.62,-1162.75 ; 512.5,-1094.17 512.55,-1094.08 ; 512.5,-1094.17 512.55,-1094.08 ; 512.57,-1222.9 512.69,-1222.74 ; 512.57,-1222.9 512.69,-1222.74 ; 512.55,-1094.08 512.61,-1094 ; 512.55,-1094.08 512.61,-1094 ; 512.62,-1162.75 512.69,-1162.82 ; 512.62,-1162.75 512.69,-1162.82 ; 512.61,-1094 512.66,-1093.91 ; 512.61,-1094 512.66,-1093.91 ; 512.66,-1093.91 512.72,-1093.83 ; 512.66,-1093.91 512.72,-1093.83 ; 512.69,-1222.74 512.75,-1222.65 ; 512.69,-1222.74 512.75,-1222.65 ; 512.69,-1162.82 512.87,-1163.06 ; 512.69,-1162.82 512.87,-1163.06 ; 512.72,-1093.83 512.77,-1093.74 ; 512.72,-1093.83 512.77,-1093.74 ; 512.75,-1222.65 512.81,-1222.57 ; 512.75,-1222.65 512.81,-1222.57 ; 512.77,-1093.74 512.82,-1093.66 ; 512.77,-1093.74 512.82,-1093.66 ; 512.73,-1084.94 512.82,-1084.92 ; 512.73,-1084.94 512.82,-1084.92 ; 512.81,-1222.57 512.86,-1222.49 ; 512.81,-1222.57 512.86,-1222.49 ; 512.82,-1093.66 512.88,-1093.58 ; 512.82,-1093.66 512.88,-1093.58 ; 512.82,-1084.92 512.92,-1084.89 ; 512.82,-1084.92 512.92,-1084.89 ; 512.86,-1222.49 513.04,-1222.25 ; 512.86,-1222.49 513.04,-1222.25 ; 512.87,-1163.06 512.94,-1163.13 ; 512.87,-1163.06 512.94,-1163.13 ; 512.88,-1093.58 512.93,-1093.49 ; 512.88,-1093.58 512.93,-1093.49 ; 512.92,-1084.89 513.12,-1084.85 ; 512.92,-1084.89 513.12,-1084.85 ; 512.94,-1163.13 513.06,-1163.29 ; 512.94,-1163.13 513.06,-1163.29 ; 512.93,-1093.49 512.98,-1093.41 ; 512.93,-1093.49 512.98,-1093.41 ; 512.98,-1093.41 513.04,-1093.32 ; 512.98,-1093.41 513.04,-1093.32 ; 513.04,-1222.25 513.09,-1222.17 ; 513.04,-1222.25 513.09,-1222.17 ; 513.06,-1163.29 513.13,-1163.37 ; 513.06,-1163.29 513.13,-1163.37 ; 513.04,-1093.32 513.09,-1093.24 ; 513.04,-1093.32 513.09,-1093.24 ; 513.09,-1222.17 513.15,-1222.08 ; 513.09,-1222.17 513.15,-1222.08 ; 513.09,-1093.24 513.15,-1093.15 ; 513.09,-1093.24 513.15,-1093.15 ; 513.12,-1084.85 513.21,-1084.83 ; 513.12,-1084.85 513.21,-1084.83 ; 513.15,-1222.08 513.39,-1221.76 ; 513.15,-1222.08 513.39,-1221.76 ; 513.13,-1163.37 513.19,-1163.45 ; 513.13,-1163.37 513.19,-1163.45 ; 513.15,-1093.15 513.25,-1092.99 ; 513.15,-1093.15 513.25,-1092.99 ; 513.19,-1163.45 513.25,-1163.52 ; 513.19,-1163.45 513.25,-1163.52 ; 513.21,-1084.83 513.31,-1084.81 ; 513.21,-1084.83 513.31,-1084.81 ; 513.25,-1163.52 513.31,-1163.6 ; 513.25,-1163.52 513.31,-1163.6 ; 513.25,-1092.99 513.31,-1092.9 ; 513.25,-1092.99 513.31,-1092.9 ; 513.31,-1163.6 513.38,-1163.68 ; 513.31,-1163.6 513.38,-1163.68 ; 513.31,-1092.9 513.36,-1092.82